# KiCad board alpha-curISO_routingv6.kicad_pcb (continued)
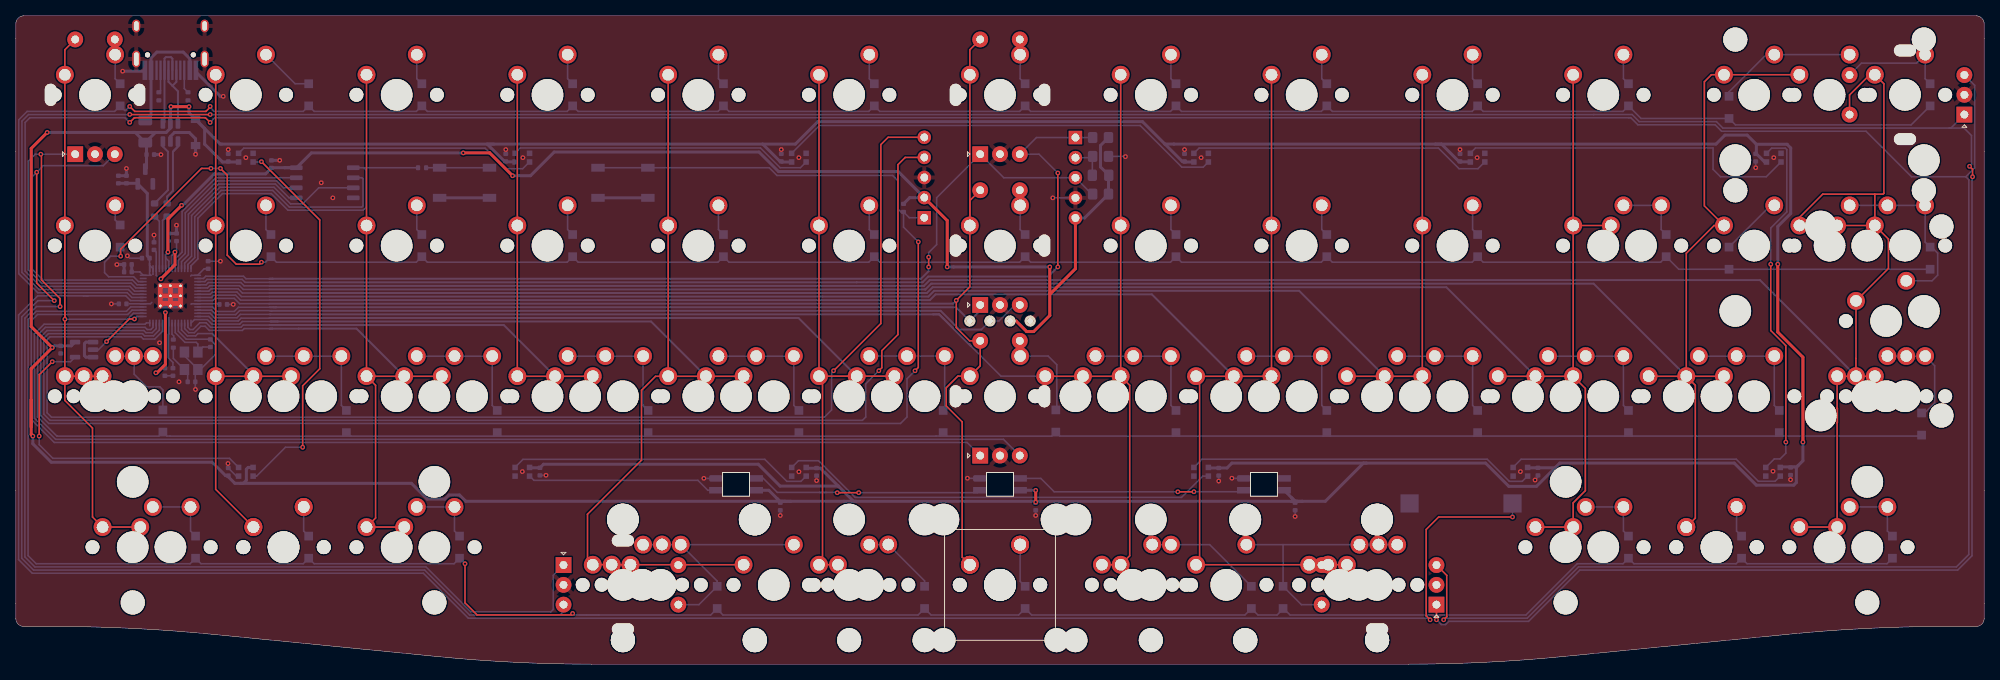
[diagram p0: board, top side]
## Routing (per net, layer and track width the routed paths; a pad name or vN(x,y) marks a point on that pad's centre or on a via; arc(x,y) is an arc through that point) (continued)
Net-(D21-Pad2): length 3.9
  Bottom w0.2: D21.2 107.79,54.92 SW19.2
Net-(D22-Pad2): length 16.5
  Bottom w0.2: 117.31,38.91 117.31,32.25 D22.2 ; SW32(ortho)1.2 SW32(1.5stagger)1.2
Net-(D23-Pad2): length 9.6
  Bottom w0.2: SW43(2)1.2 110.17,15.1 SW43(1.75)1.2 114.78,10.52 D23.2
Net-(D24-Pad2): length 5.5
  Bottom w0.2: SW44(4)1.2 126.84,10.47 D24.2
Net-(D27-Pad2): length 3.9
  Bottom w0.2: SW8.2 145.89,73.97 D27.2
Net-(D28-Pad2): length 3.9
  Bottom w0.2: D28.2 145.89,54.92 SW21.2
Net-(D29-Pad2): length 16.6
  Bottom w0.2: 136.36,38.91 145.89,38.91 145.89,32.69 D29.2
Net-(D30-Pad2): length 14.7
  Bottom w0.2: SW45(1.75)1.2 145.88,15.11 SW45(2)1.2 150.78,15.1 D30.2
Net-(D31-Pad2): length 3.9
  Bottom w0.2: D31.2 164.94,73.97 SW9.2
Net-(D32-Pad2): length 3.9
  Bottom w0.2: SW22.2 164.94,54.92 D32.2
Net-(D33-Pad2): length 16.6
  Bottom w0.2: 155.41,38.91 164.94,38.91 164.94,32.69 D33.2
Net-(D35-Pad2): length 3.9
  Bottom w0.2: SW10.2 183.99,73.97 D35.2
Net-(D36-Pad2): length 3.9
  Bottom w0.2: SW23.2 183.99,54.92 D36.2
Net-(D37-Pad2): length 16.6
  Bottom w0.2: 174.47,38.91 183.99,38.91 183.99,32.69 D37.2
Net-(D38-Pad2): length 3.9
  Bottom w0.2: D38.2 203.04,73.97 SW11.2
Net-(D39-Pad2): length 8.7
  Bottom w0.2: SW24.2 SW24(1.5)1.2 207.8,54.92 D39.2
Net-(D40-Pad2): length 16.6
  Bottom w0.2: 193.51,38.91 203.04,38.91 203.04,32.69 D40.2
Net-(D41-Pad2): length 8.7
  Bottom w0.2: 198.28,19.86 SW47(1.5)1.2 203.04,16.82 D41.2
Net-(D42-Pad2): length 17.8
  Bottom w0.2: 216.38,71.75 216.38,72.31 221.07,77.01 SW12.2 SW12(2)1.2
Net-(D43-Pad2): length 7.9
  Bottom w0.2: SW25.2 221.64,57.96 D43.2
Net-(D44-Pad2): length 16.6
  Bottom w0.2: 212.56,38.91 222.09,38.91 222.09,32.69 D44.2
Net-(D45-Pad2): length 3.9
  Bottom w0.2: SW48.2 217.33,16.82 D45.2
Net-(D47-Pad2): length 23.4
  Bottom w0.2: SW26(2)1.2 SW26.2 241.14,53.33 D47.2 241.96,52.7 242.73,51.93 242.73,49.15 242.02,48.44 SW26(ISO)1.2
Net-(D48-Pad2): length 13.3
  Bottom w0.2: 236.38,38.91 241.14,38.91 242.35,37.71 242.35,33.01 241.08,31.74 D48.2
Net-(D49-Pad2): length 8.7
  Bottom w0.2: SW49(1.5)1.2 236.38,19.86 236.38,16.82 D49.2
Net-(LED1-Pad2): length 30
  Top w0.2: v1(103.74,21.66) 103.75,21.67 v1(106.46,21.67)
  Bottom w0.2: 101.5,21.7 96.17,21.7 94.4,23.47 LED1.2 ; 101.5,21.7 102.39,21.7 ; 101.5,21.7 103.7,21.7 v1(103.74,21.66) ; LED2.4 121.45,21.67 v1(106.46,21.67)
Net-(LED2-Pad2): length 29
  Top w0.2: v1(146.76,21.78) 148.78,21.78 v1(148.79,21.79)
  Bottom w0.2: v1(148.79,21.79) 154.91,21.79 LED3.4 ; LED2.2 129.46,23.47 131.15,21.78 v1(146.76,21.78)
Net-(LED4-Pad2): length 38.4
  Bottom w0.2: 99.81,63.45 99.09,62.73 96.54,62.73 94.04,65.22 63.7,65.22 63.05,64.57
Net-(LED5-Pad2): length 56.5
  Bottom w0.2: LED6.4 149.97,62.8 147.27,62.8 142.02,68.04 142.02,68.06 101.5,68.06 97.99,64.55
Net-(LED6-Pad2): length 38.5
  Bottom w0.2: 185.53,63.47 184.66,62.6 182.28,62.6 179.67,65.2 149.44,65.2 LED6.2
Net-(LED7-Pad2): length 43.4
  Bottom w0.2: LED8.4 221.08,61.58 215.3,61.58 214.36,62.52 214.36,65.22 184.35,65.22 183.7,64.57
Net-(LED8-Pad2): length 46.2
  Top w0.2: v1(223.55,28.05) 223.55,40.25 221.65,42.15 v1(221.65,50.53)
  Bottom w0.2: v1(223.55,28.05) 223.55,26.66 222.82,25.93 222.09,25.93 LED9.4 ; LED8.2 221.76,65.2 223.49,65.2 223.68,65.01 223.68,57.14 221.65,55.11 v1(221.65,50.53)
Net-(LED10-Pad2): length 48.9
  Top w0.2: v1(31.02,63.49) 38.38,56.12 38.38,37.33 36.23,35.17 v1(36.23,27.41)
  Bottom w0.2: LED11.4 30.98,63.45 v1(31.02,63.49) ; LED10.2 30.41,23.76 34.06,27.41 v1(36.23,27.41)
Net-(LED11-Pad2): length 38.5
  Bottom w0.2: LED11.2 28.79,65.2 59.27,65.2 61.86,62.6 64.01,62.6 64.88,63.47
Net-(LED12-Pad2): length 44
  Bottom w0.2: 190.94,23.78 190.26,23.1 188.63,23.1 185.83,25.9 149.82,25.9 LED13.4
Net-(LED12-Pad4): length 35.6
  Bottom w0.2: 189.11,24.88 190.12,25.9 217.29,25.9 220.08,23.11 222.19,23.11 222.84,23.76
Net-(LED13-Pad2): length 56
  Bottom w0.2: 97.99,24.85 98.85,25.7 101.37,25.7 106.01,21.07 147.22,21.07 149.91,23.76 LED13.2
Net-(LED14-Pad2): length 38.6
  Bottom w0.2: 63.05,24.88 64.05,25.88 94.59,25.88 97.37,23.1 99.16,23.1 99.81,23.76

## Copper pours and planes (outline as drawn; the poured copper is in the pictures)
+1V1 on Bottom: 17.57,48.31 21.3,48.31 21.3,44.78 18.57,44.78 18.57,44.11 19.25,44.11 19.25,44.31 21.77,44.31 21.77,48.71 18.97,48.71 18.97,48.91 18.57,48.91 18.57,49.31 17.57,49.31
+3V3 on Bottom: 14.13,49.01 16.79,49.01 16.67,43.68 22.38,43.8 22.26,49.39 17.94,49.39 17.3,51.8 16.41,51.8 16.41,51.04 14.13,51.04
GND on Top, Bottom: 250.87,83.17 250.62,-4.72 -1.62,-4.84 -1.49,83.3

## Text on the board
B.Silkscreen: ortho | curiso | alpha | 1 | 1.25 | 1.5 | JLCJLCJLCJLC | A | 3 | Boot | Reset | 2 | 1.75 | 4 | 6 | C | D | E | TP | audio | B | ISO
